# Altium PCB MCU_Module.PcbDoc (continued)
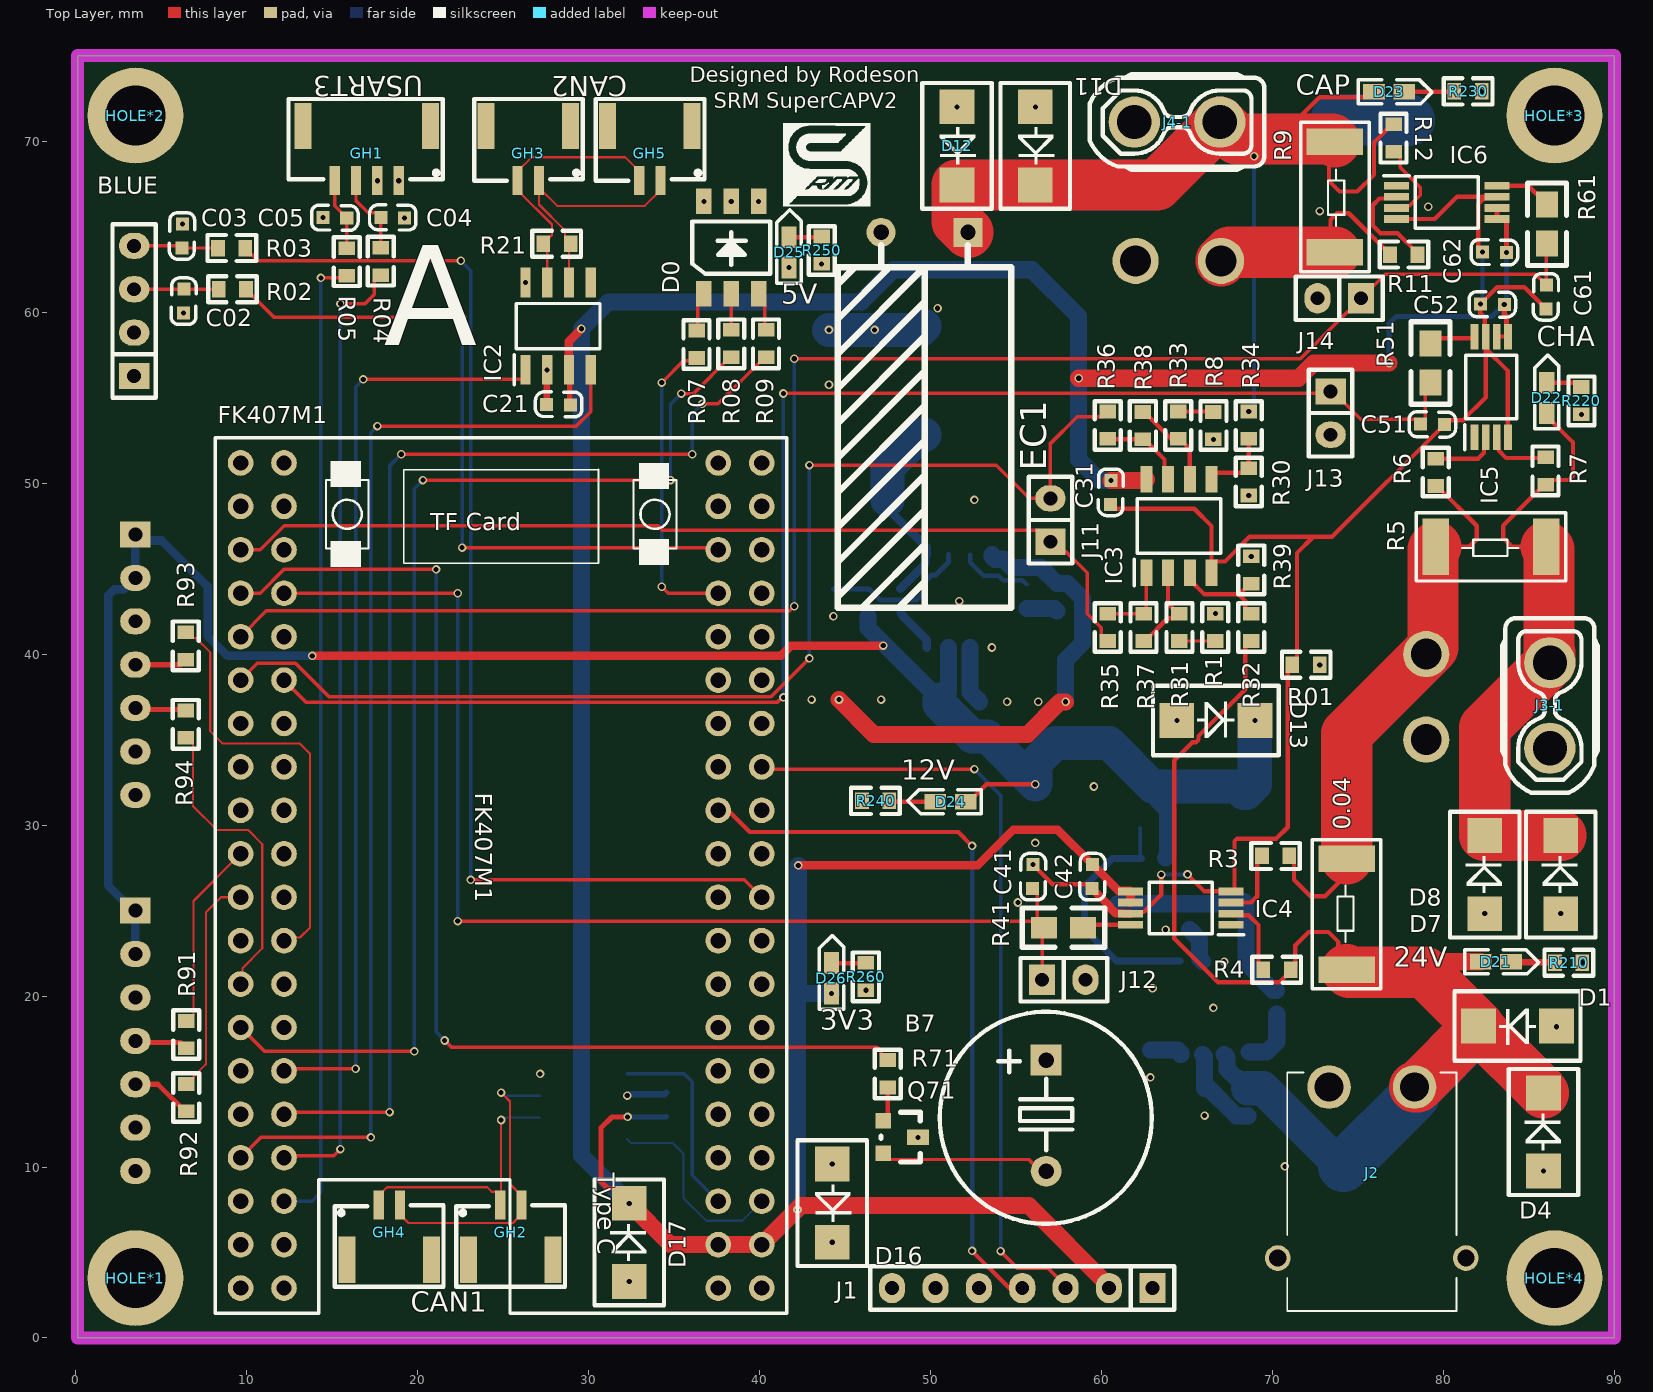
[diagram p0: Top Layer view]
## Components (designator, comment, footprint, x,y, rotation, side; value= is the part's Value field where it differs from the comment) (continued)
R07 "2K" 0603R 36.322,57.325 r90 top
R8 "0" 0603R 66.558,54.163 r270 top
R08 "2K" 0603R 38.354,57.363 r90 top
R9 "0.04" 2512R 73.711,63.579 r90 top
R09 "2K" 0603R 40.386,57.363 r90 top
R10 "120" 0603R 24.892,14.351 r270 bottom
R11 "0" 0603R 78.486,63.373 r180 top
R12 "0" 0603R 77.089,69.393 r90 top
R21 "120" 0603R 27.356,64.008 r0 top
R30 "1K" 0603R 68.622,49.276 r90 top
R31 "20K" 0603R 64.568,40.767 r90 top
R32 "20K" 0603R 68.769,40.767 r90 top
R33 "20K" 0603R 64.494,52.588 r90 top
R34 "20K" 0603R 68.622,52.588 r90 top
R35 "47R" 0603R 60.367,40.767 r90 top
R36 "47R" 0603R 60.367,52.588 r90 top
R37 "1K" 0603R 62.467,40.767 r90 top
R38 "1K" 0603R 62.43,54.163 r270 top
R39 "1K" 0603R 68.769,45.72 r270 top
R41 "47R" 0805R 58.928,24.003 r180 top
R51 "47R" 0805R 79.248,58.166 r270 top
R61 "47R" 0805R 86.066,66.294 r270 top
R71 "1K" 0603R 47.498,14.656 r90 top
R72 "18.7K" 0603R 68.58,14.605 r270 bottom
R73 "10K" 0603R 66.04,13.005 r90 bottom
R74 "30K" 0603R 62.865,15.24 r90 bottom
R75 "10K" 0603R 62.992,20.447 r90 bottom
R76 "150K" 0603R 62.281,29.845 r0 bottom
R81 "100K" 0603R 46.355,42.19 r90 bottom
R82 "24.9K" 0603R 44.323,42.215 r90 bottom
R83 "100K" 0603R 57.404,44.132 r270 bottom
R84 "210K" 0603R 43.053,37.338 r0 bottom
R85 "40.2K" 0603R 57.912,37.211 r180 bottom
R86 "100K" 0603R 54.483,37.211 r180 bottom
R91 "4.7" 0603R 6.477,18.542 r270 top
R92 "4.7" 0603R 6.477,14.859 r270 top
R93 "4.7" 0603R 6.448,41.275 r270 top
R94 "4.7" 0603R 6.448,35.103 r90 top
R210 "100K" 0603R 88.133,21.952 r180 top
R220 "100K" 0603R 88.083,54.026 r90 top
R230 "100K" 0603R 82.245,72.911 r180 top
R240 "100K" 0603R 45.995,31.413 r0 top
R250 "20K" 0603R 43.637,62.825 r90 top
R260 "10K" 0603R 46.228,20.339 r90 top

## Footprints (in the part's own frame and the unit in brackets; to place one, negate y for a bottom-side part, rotate by r counter-clockwise, add the part's x,y. Pads: shape width x height; smd on the part's side, far side on the other; paste and mask are expansions set on the pad)
0603C [mil]
  rect 30x30 smd: 1(0.21,-0.35) 2(55.21,-1.35)
  silkscreen extent -26,-30 81,28, body extent -1,-15 62,17, height 12
0603R [mm]
  rect 0.8x0.965 smd: 1(0,0) 2(1.6,0)
  silkscreen extent -0.64,-0.76 2.21,0.76, body extent -0.04,-0.41 1.56,0.41, height 0.45
0630L [mm]
  rect 3x3.5 smd: 1(-0.127,0) 2(6.223,0)
  silkscreen extent -0.61,-3.48 6.71,3.48, body extent -0.55,-3.05 6.4,3.55, height 3.05
0805R [mil]
  rect 60x50 smd: 1(0,0) 2(90,0)
  silkscreen extent -50,-45 140,45, body extent 1,-25 80,25, height 15
1206C [mil]
  rect 60x60 smd: 1(0,0) 2(135,0)
  silkscreen extent -50,-50 185,50, body extent 2,-31 128,31, height 39
1812C [mm]
  rect 3.302x2 smd: 1(0,0) 2(0,5.572)
  silkscreen extent -1.91,-1.35 1.92,6.96, body extent -1.6,0.54 1.6,5.04, height 1.6
2512R [mil]
  rect 61x129.92 smd: 1(-3.11,2) 2(251.89,2)
  silkscreen extent -47,-77 296,81, body extent 0,-63 249,63, height 24
"BEEP 6.5x12x8.5" [mm]
  rect 1.8x1.8 hole 0.9: 1(0,0)
  round 1.8 hole 0.9: 2(6.5,0)
  silkscreen extent -2.82,-6.22 9.57,6.18, body extent -2.79,-6 9.21,6, height 8.55
DIP-EC5.0X10X20-A [mm]
  rect 1.7x1.7 hole 0.9: 1(0,0)
  round 1.7 hole 0.9: 2(0,-5.08)
  silkscreen extent 0.76,-7.62 21.97,2.54, body extent -0.25,-7.54 21.96,2.46, height 10.03
Fe-HDR1X2/2.54-S [mil] "Connector; Header; 2x2 Position"
  rect 60x70 hole 32: 1(0,0)
  oval 60x70 hole 32: 2(100,0)
  silkscreen extent -50,-50 150,50, body extent -55,-48 155,50, height 335
Fe-HDR1X4/2.54-S [mil]
  rect 70x60 hole 32: 1(0,0)
  oval 70x60 hole 32: 2(0,-100) 3(0,-200) 4(0,-300)
  silkscreen extent -50,-350 50,50, body extent -44,-355 54,55, height 335
Fe-HDR1X7/2.54-S [mil]
  rect 70x60 hole 32: 1(0,0)
  oval 70x60 hole 32: 2(0,-100) 3(0,-200) 4(0,-300) 5(0,-400) 6(0,-500) 7(0,-600)
  silkscreen extent -50,-650 50,50, body extent -49,-655 49,55, height 126
FK407M1 [mm]
  round 1.5 hole 0.9: 1(0,-25.4) 2(0,-27.94) 3(-2.54,-25.4) 4(-2.54,-27.94) 5(-5.08,-25.4) 6(-5.08,-27.94) 7(-7.62,-25.4) 8(-7.62,-27.94) 9(-10.16,-25.4) 10(-10.16,-27.94) 11(-12.7,-25.4) 12(-12.7,-27.94) 13(-15.24,-25.4) 14(-15.24,-27.94) 15(-17.78,-25.4) 16(-17.78,-27.94) 17(-20.32,-25.4) 18(-20.32,-27.94) 19(-22.86,-25.4) 20(-22.86,-27.94) 21(-25.4,-25.4) 22(-25.4,-27.94) 23(-27.94,-25.4) 24(-27.94,-27.94) 25(-30.48,-25.4) 26(-30.48,-27.94) 27(-33.02,-25.4) 28(-33.02,-27.94) 29(-35.56,-25.4) 30(-35.56,-27.94) 31(-38.1,-25.4) 32(-38.1,-27.94) 33(-40.64,-25.4) 34(-40.64,-27.94) 35(-43.18,-25.4) 36(-43.18,-27.94) 37(-45.72,-25.4) 38(-45.72,-27.94) 39(-48.26,-25.4) 40(-48.26,-27.94) 41(0,2.54) 42(0,0) 43(-2.54,2.54) 44(-2.54,0) 45(-5.08,2.54) 46(-5.08,0) 47(-7.62,2.54) 48(-7.62,0) 49(-10.16,2.54) 50(-10.16,0) 51(-12.7,2.54) 52(-12.7,0) 53(-15.24,2.54) 54(-15.24,0) 55(-17.78,2.54) 56(-17.78,0) 57(-20.32,2.54) 58(-20.32,0) 59(-22.86,2.54) 60(-22.86,0) 61(-25.4,2.54) 62(-25.4,0) 63(-27.94,2.54) 64(-27.94,0) 65(-30.48,2.54) 66(-30.48,0) 67(-33.02,2.54) 68(-33.02,0) 69(-35.56,2.54) 70(-35.56,0) 71(-38.1,2.54) 72(-38.1,0) 73(-40.64,2.54) 74(-40.64,0) 75(-43.18,2.54) 76(-43.18,0) 77(-45.72,2.54) 78(-45.72,0) 79(-48.26,2.54) 80(-48.26,0)
  silkscreen extent -49.73,-29.41 1.47,4.01
GH1.25_2P [mm]
  rect 0.6x1.7 smd: 1(2.57,4.648) 2(3.82,4.648)
  rect 1x2.7 smd: 3(5.67,1.448) 4(0.72,1.448)
  silkscreen extent 0,-0.13 6.36,4.65
GH1.25_4P [mm]
  rect 0.6x1.7 smd: 1(2.443,4.648) 2(3.693,4.648) 3(4.943,4.648) 4(6.193,4.648)
  rect 1x2.7 smd: 5(8.043,1.448) 6(0.593,1.448)
  silkscreen extent -0.13,-0.13 8.89,4.57
LED-0603G [mil]
  rect 50x35 smd: A(0,0.26) K(70,0.26)
  silkscreen extent -36,-28 134,28, body extent 4,-15 66,17, height 24
LED-5050W [mm]
  rect 1.5x0.9 smd: 1(-0.038,-0.051) 2(5.372,-0.051) 3(-0.038,-1.651) 4(5.372,-1.651) 5(-0.038,-3.251) 6(5.372,-3.251)
  silkscreen extent 1.14,-3.94 4.19,0.64, body extent -0.03,-4.11 5.37,0.89, height 1.65
M3#1 [mm]
  round 5.6 hole 3.5: 1(-57.079,28.123)
M3#2 [mm]
  round 5.6 hole 3.5: 1(7.365,47.173)
M3#3 [mm]
  round 5.6 hole 3.5: 1(5.714,-72.784)
M3#4 [mm]
  round 5.6 hole 3.5: 1(-41.712,-21.73)
"Pin HDR1X7/2.54mm-S" [mil]
  rect 70x60 hole 32: 1(0,0)
  oval 70x60 hole 32: 2(0,-100) 3(0,-200) 4(0,-300) 5(0,-400) 6(0,-500) 7(0,-600)
  silkscreen extent -50,-650 50,50, body extent -50,-650 50,50, height 336
SMA/DO-214AC [mm]
  rect 2x3 smd: A(-0.127,0) K(4.953,0)
  silkscreen extent -1.63,-1.75 6.48,1.75, body extent 0.11,-1.35 4.71,1.35, height 2.4
SMB/DO-214AA [mil] "塑封二极管"
  rect 80x80 smd: A(0,0) K(180,0)
  silkscreen extent -55,-80 235,80, body extent -20,-79 200,75, height 98
SOIC127P600X170-9N [mm]
  rect 1.525x0.65 smd: 1(-2.712,1.905) 2(-2.712,0.635) 3(-2.712,-0.635) 4(-2.712,-1.905) 5(2.712,-1.905) 6(2.712,-0.635) 7(2.712,0.635) 8(2.712,1.905)
  rect 2.4x3.1 smd: 9(0,0)
  silkscreen extent -3.47,2.58 -1.95,2.58, body extent -3,-2.45 3,2.45, height 1.7
SOIC127P600X175-8N [mm]
  rect 1.55x0.7 smd: 1(-2.725,1.905) 2(-2.725,0.635) 3(-2.725,-0.635) 4(-2.725,-1.905) 5(2.725,-1.905) 6(2.725,-0.635) 7(2.725,0.635) 8(2.725,1.905)
  silkscreen extent -3.5,-2.45 1.6,2.61, body extent -3,-2.45 3,2.45, height 1.75
SOP65P640X120-8N [mm]
  rect 1.475x0.45 smd: 1(-2.938,0.975) 2(-2.938,0.325) 3(-2.938,-0.325) 4(-2.938,-0.975) 5(2.938,-0.975) 6(2.938,-0.325) 7(2.938,0.325) 8(2.938,0.975)
  silkscreen extent -3.67,-1.5 1.85,1.55, body extent -3.21,-1.5 3.21,1.5, height 1.11
SOT127P600X175-8N [mm]
  rect 1.75x0.6 smd: 1(-2.55,1.905) 2(-2.55,0.635) 3(-2.55,-0.635) 4(-2.55,-1.905) 5(2.55,-1.905) 6(2.55,-0.635) 7(2.55,0.635) 8(2.55,1.905)
  silkscreen extent -3.42,-2.45 1.33,2.56, body extent -3.01,-2.45 3.01,2.45, height 1.63
SOT-23 [mil]
  rect 36x36 smd: B(-35,-35) E(40,-35)
  rect 36x50 smd: C(3,45)
  silkscreen extent -55,-40 60,50, body extent -54,-48 60,62, height 47
XT30PB [mm]
  round 2.7 hole 1.8: 1(0,0) 2(0,-5)
  silkscreen extent -2.6,-7.6 2.6,2.6, body extent -2.6,-7.6 2.6,2.6, height 10.66
XT30PWM [mm]
  round 2.55 hole 1.7: 1(-2.5,-5.912) 2(2.5,-5.912)
  round 1.5 hole 1: 3(5.5,4.088) 4(-5.5,4.088)
  silkscreen extent -4.95,-6.76 4.95,7.19, body extent -6.65,-6.71 6.65,7.24, height 5.06
XT30UPB-F [mm]
  round 3 hole 2: 1(-5.02,0.006) 2(-0.02,0.006)
  silkscreen extent -7.62,-2.79 2.58,2.81

## Part data
0.04 R1 R01 R02 R3 R03 R4 R04 R5 R05 R6 R7 R07 R8 R08 R9 R09 R10 R11 R12 R21 R30 R31 R32 R33 R34 R35 R36 R37 R38 R39 R41 R51 R61 R71 R72 R73 R74 R75 R76 R81 R82 R83 R84 R85 R86 R91 R92 R93 R94 R210 R220 R230 R240 R250 R260: library part RES
B7: "蜂鸣器"
BLUE: library part "Female HDR1X4"
C02 C03 C04 C05 C11 C21 C31 C41 C42 C51 C52 C61 C62 C71 C72 C73 C74 C77 C78 C81 C82 C83 C84: library part CAP, "无极性电容"
C100 C101: "无极性电容"
D1 D2 D3 D4 D5 D6 D7 D8 D9 D10 D11 D12 D13 D14 D15 D16 D17: library part "DIODE ZENER", "稳压二极管"
D71 D81: library part "DIODE SCHOTTKY", "肖特基二极管"
EC1: "直插电解电容"
FK407M1: library part FK407M1
GH1: library part GH1.25_4P
GH2 GH3 GH4 GH5: library part GH1.25_2P
IC1 IC2: "Integrated Circuit", Manufacturer_Name="Texas Instruments", Mouser Part Number=595-SN65HVD230DR, Arrow Part Number=SN65HVD230DR, Arrow Price/Stock=https://www.arrow.com/en/products/sn65hvd230dr/texas-instruments?region=nac, Datasheet Link=http://www.ti.com/lit/gpn/sn65hvd230, Height=1.75mm, Manufacturer_Part_Number=SN65HVD230DR, Mouser Price/Stock=https://www.mouser.co.uk/ProductDetail/Texas-Instruments/SN65HVD230DR?qs=QViXGNcIEAtifeQR3pYVUQ%3D%3D
IC3: "Integrated Circuit", Arrow Part Number=OPA2350UA/2K5, Manufacturer_Name="Texas Instruments", Mouser Part Number=595-OPA2350UA/2K5, Arrow Price/Stock=https://www.arrow.com/en/products/opa2350ua2k5/texas-instruments, Datasheet Link=http://www.ti.com/lit/gpn/opa2350, Height=1.75mm, Manufacturer_Part_Number=OPA2350UA/2K5, Mouser Price/Stock=https://www.mouser.co.uk/ProductDetail/Texas-Instruments/OPA2350UA-2K5?qs=7nS3%252BbEUL6t75JUF5jEhbw%3D%3D
IC4 IC5 IC6: "Integrated Circuit", Manufacturer_Name="Texas Instruments", Mouser Part Number=595-INA240A1PWR, Arrow Part Number=INA240A1PWR, Arrow Price/Stock=https://www.arrow.com/en/products/ina240a1pwr/texas-instruments?region=nac, Datasheet Link=http://www.ti.com/lit/gpn/INA240, Height=1.2mm, Manufacturer_Part_Number=INA240A1PWR, Mouser Price/Stock=https://www.mouser.co.uk/ProductDetail/Texas-Instruments/INA240A1PWR?qs=aVyJF2WnouTDXnRi6tpqfA%3D%3D
IC7: "Integrated Circuit", Manufacturer_Name="Texas Instruments", Mouser Part Number=595-LMR14020SDDAR, Arrow Part Number=LMR14020SDDAR, Arrow Price/Stock=https://www.arrow.com/en/products/lmr14020sddar/texas-instruments, Datasheet Link=http://www.ti.com/lit/gpn/lmr14020, Height=1.7mm, Manufacturer_Part_Number=LMR14020SDDAR, Mouser Price/Stock=https://www.mouser.co.uk/ProductDetail/Texas-Instruments/LMR14020SDDAR?qs=Q2snjRlG%2FBLpJ6bVOizpDA%3D%3D
IC8: "Integrated Circuit", Manufacturer_Name="Monolithic Power Systems (MPS)", Mouser Part Number=946-MP1584ENLF, Datasheet Link=https://componentsearchengine.com/Datasheets/1/MP1584EN-LF.pdf, Height=1.7mm, Manufacturer_Part_Number=MP1584EN-LF, Mouser Price/Stock=https://www.mouser.com/Search/Refine.aspx?Keyword=946-MP1584ENLF
J1: library part "Female HDR1X7"
J2: library part XT30PW-M, "Connector", Manufacturer_Name=Amass, Datasheet Link=https://www.tme.eu/sl/Document/ce4077e36b79046da520ca73227e15de/XT30PW%20SPEC.pdf, Height=5mm, Manufacturer_Part_Number=XT30PW-M
J3-1 J4-1: library part XT30UPB-F
J3-2 J4-2: "Connector", Manufacturer_Name=Amass, Datasheet Link=https://www.tme.eu/Document/4acc913878197f8c2e30d4b8cdc47230/XT30UPB%20SPEC.pdf, Height=10.7mm, Manufacturer_Part_Number=XT30PB
L71 L81: library part INDUCTOR, "INDUCTOR"
Q71: "PNP三极管"

## Via types
v1: diameter 0.5, hole 0.3, Top Layer to Bottom Layer, 121 vias

## Nets (pads, with @x,y where several pads share a name; then routed paths per layer and width w, separated by ;. In a path a pad name is that pad's centre, name@x,y a point inside that pad or via, vN(x,y) a via of type N, cw(c..) or ccw(c..) an arc to the next point about the centre after c; other vN are vias at no path point)
3V3: C11.1 C21.1 C31.1 C42.2 C52.2 C62.2 D17.K D26.A FK407M1.43 FK407M1.44 IC1.3 IC2.3 IC3.8 IC4.5 IC4.6 IC5.5 IC5.6 IC6.5 IC6.6 J1.2 | length 224.4
  Top Layer w0.235: IC5.6 IC5.5
  Top Layer w0.3: IC2.3 28.906,56.582 28.906,54.634 C21.1 ; v1(32.294,12.928) 31.369,12.928 30.734,12.294 30.734,9.144 31.138,8.74 31.519,8.74 v1(32.385,7.874) ; IC6.6 IC6.5 83.618,65.446 83.693,65.371 v1(83.693,63.5) ; v1(83.566,60.452) 83.566,59.889 83.704,59.751 83.704,58.639 IC5.5
  Top Layer w0.5: IC2.3 28.857,58.296 v1(29.591,59.03) ; v1(42.269,27.638) 52.759,27.638 54.839,29.718 57.45,29.718 C42.2 61.022,26.146 61.68,26.146 IC4.5 IC4.6
  Top Layer w1: v1(32.385,7.874) 34.798,5.461 FK407M1.44 FK407M1.43 42.418,7.747 55.753,7.747 60.452,3.048 J1.2 ; v1(58.674,56.134) 71.534,56.134 72.423,57.023 v1(76.835,57.023) ; v1(60.572,50.16) 62.569,50.16 IC3.8
  Bottom Layer w0.3: IC1.3 v1(32.294,12.928) 34.544,12.928 C11.1 ; v1(76.835,57.023) 76.835,59.334 77.241,59.741 82.855,59.741 v1(83.566,60.452) ; v1@83.693,60.633 v1(83.693,63.5)
  Bottom Layer w1: v1(32.385,7.874) 29.591,10.668 v1(29.591,59.03) 31.169,60.607 45.957,60.607 47.833,62.484 55.933,62.484 58.674,59.743 v1(58.674,56.134) 58.674,51.379 59.893,50.16 v1(60.572,50.16) ; v1(42.226,7.493) 42.226,20.193 42.269,20.151 ; v1(42.269,27.638) 42.269,20.151 ; v1(44.207,20.151) 42.269,20.151
5V: B7.1 BLUE.1 C82.2 D15.K D16.K D25.A FK407M1.41 FK407M1.42 GH1.1 L81.1 P2.3 P3.3 R84.1 | length 5.7
  Bottom Layer w2: v1(44.069,58.963) 49.438,58.963 L81.1
  other v1: 44.258,5.603 43.053,37.338 46.736,58.963 50.419,60.233 41.732,62.609 18.903,67.691
12V: C74.2 C77.2 C78.2 C84.2 D13.K D14.K D24.A IC8.7 L71.2 P2.1 P2.2 P3.1 P3.2 R76.2 R81.1 | length 120.6
  Top Layer w0.254: D24.A 52.261,31.369 53.276,32.385 v1(56.134,32.385)
  Top Layer w0.5: v1(13.843,39.894) 41.241,39.894 41.841,40.494 v1(47.244,40.494)
  Bottom Layer w0.5: P2.2 P2.1 3.373,25 1.905,26.468 1.905,43.434 2.259,43.788 2.828,43.788 P3.2 P3.1 3.856,46.644 5.035,46.644 7.721,43.958 7.721,41.063 8.89,39.894 v1(13.843,39.894)
  Bottom Layer w1: R81.1 46.355,41.529 C84.2 51.054,37.846 IC8.7 ; 63.254,31.488 63.881,30.861 R76.2 63.881,28.194 C74.2
  Bottom Layer w2: C84.2 50.546,37.072 52.439,35.179 53.34,35.179 v1(56.134,32.385) 56.134,33.626 57.306,34.798 60.452,34.798 C77.2 67.945,32.258 L71.2 68.47,31.877 68.97,32.377 68.97,36.179 D14.K
  other v1: 68.986,36.119
ADC1_IN1: FK407M1.36 J11.1 R35.1 | length 55.8
  Top Layer w0.203: FK407M1.36 10.808,46.101 12.205,47.498 34.088,47.498 34.353,47.233 56.363,47.233 J11.1 57.598,45.998 57.933,45.998 59.177,44.754 59.177,42.35 59.986,41.542 59.986,41.065 60.284,40.767 R35.1
ADC1_IN5: FK407M1.30 J11.2 R36.2 | length 69
  Top Layer w0.203: FK407M1.30 10.631,39.46 12.864,39.46 14.822,37.502 40.677,37.502 v1(42.926,39.751) ; v1(42.926,51.054) 53.848,51.054 55.789,49.113 J11.2 57.023,52.321 58.591,53.89 60.068,53.89 R36.2
  Bottom Layer w0.203: v1(42.926,39.751) v1(42.926,51.054)
ADC2_IN2: C41.1 FK407M1.33 J12.1 R41.2 | length 68.9
  Top Layer w0.203: FK407M1.33 v1(22.352,43.561) ; v1(22.352,24.384) R41.2@56.261,24.384 ; C41.1 56.261,26.01 R41.2@56.261,24.384 ; J12.1 56.536,23.897 R41.2 R41.2@56.261,24.384
  Bottom Layer w0.203: v1(22.352,24.384) v1(22.352,43.561)
ADC2_IN3: C51.1 FK407M1.29 J13.1 R51.2 | length 88.4
  Top Layer w0.203: FK407M1.29 13.501,37.172 41.029,37.172 41.324,37.467 v1(41.404,37.467) ; v1(41.404,55.245) 73.279,55.245 J13.1 73.533,55.372 75.168,53.737 78.387,53.737 C51.1 78.946,53.737 78.946,55.578 R51.2
  Bottom Layer w0.203: v1(41.404,37.467) v1(41.404,55.245)
ADC2_IN4: C61.1 FK407M1.32 J14.1 R61.2 | length 96.4
  Top Layer w0.203: FK407M1.32 11.163,42.532 41.77,42.532 v1(42.037,42.799) ; v1(42.037,57.277) 71.647,57.277 74.397,60.027 74.524,60.027 75.184,60.687 J14.1 76.6,62.23 85.392,62.23 C61.1 86.027,63.97 R61.2
  Bottom Layer w0.203: v1(42.037,42.799) v1(42.037,57.277)
AGND: C31.2 C41.2 C42.1 C51.2 C52.1 C61.2 C62.1 IC3.4 IC4.4 IC4.7 IC5.4 IC5.7 IC6.4 IC6.7 R01.2 | length 97.9
  Top Layer w0.254: v1(56.007,27.686) 57.15,26.543 59.203,26.543 C42.1 ; C31.2 60.8,48.509 65.429,48.509 66.442,47.496 IC3.4@66.442,45.198 ; IC4.7 61.803,24.919 62.475,24.919 63.5,25.944 v1(63.5,27.107) ; v1(65.039,27.112) 66.03,26.121 IC4.4 67.688,26.121 67.786,26.219 67.786,29.061 67.935,29.21 70.234,29.21 70.898,29.874 70.898,39.097 R01.2 71.444,39.643 71.444,45.917 72.39,46.863 ; IC3.4 IC3.4@66.442,45.198 ; IC6.4 79.504,65.446 80.804,66.746 IC6.7 83.043,66.648 82.371,66.648 82.046,66.322 82.046,63.776 v1(82.296,63.525) C62.1@82.169,63.398 ; IC5.4 83.779,56.556 IC5.7@82.479,57.856 ; C61.2 84.732,61.468 83.16,61.468 v1(82.169,60.477) 82.169,59.932 82.418,59.682 82.418,58.625 IC5.7 IC5.7@82.479,57.856 ; IC3.4@66.442,45.198 66.665,45.421 67.229,45.421 68.671,46.863 72.39,46.863 ; 72.39,46.863 73.494,46.863 C51.2 80.318,53.687 81.158,53.687 82.479,55.008 IC5.7@82.479,57.856
  Top Layer w0.5: C42.1 60.452,25.294 60.452,25.228 60.834,24.846 61.218,24.846 61.243,24.821 IC4.7
  Bottom Layer w0.254: v1(63.5,27.107) 63.503,27.11 65.036,27.11 v1(65.039,27.112) ; v1@82.296,60.671 v1(82.296,63.525)
Battery_IN: 0.04.2 C72.2 D1.K D2.K D3.K D4.K D21.A IC7.2 J2.1 R4.2 R32.1 R72.1 | length 84.8
  Top Layer w0.254: R32.1 68.687,40.767 68.414,40.494 68.414,37.937 65.684,35.208 65.684,34.998 65.536,34.849 65.325,34.849 64.262,33.786 64.262,23.368 66.825,20.805 70.415,20.805 71.069,21.459 R4.2 71.342,21.815 71.342,22.955 72.136,23.749 73.279,23.749 73.862,23.166 73.862,22.025 0.04.2 ; 77.089,21.568 77.265,21.392
  Top Layer w1: 78.916,21.392 79.533,22.009 D21.A
  Top Layer w3: 0.04.2 74.496,21.392 77.265,21.392 78.916,21.392 D1.K ; J2.1 78.473,14.675 D1.K ; D4.K 82.053,18.148 D1.K
  Bottom Layer w1: IC7.2 67.358,16.417 67.358,15.713 67.868,15.202 67.983,15.202 R72.1
  Bottom Layer w2: R72.1 69.456,14.605 74.028,10.033 C72.2
  Bottom Layer w3: C72.2 78.319,14.184 J2.1 78.511,14.675 D2.K 82.042,18.159 D3.K
CAN1_H: GH2.2 GH4.2 IC1.7 R10.1 | length 18
  Top Layer w0.127: GH4.2 18.978,7.222 19.469,6.731 25.582,6.731 25.836,6.985 25.851,6.985 26.087,7.222 GH2.2 26.087,8.322 25.407,9.002 25.407,13.836 v1(24.892,14.351)
  Bottom Layer w0.127: v1(24.892,14.351) 25.07,14.173 IC1.7
CAN1_L: GH2.1 GH4.1 IC1.6 R10.2 | length 15.9
  Top Layer w0.127: GH4.1 17.728,8.322 18.218,8.813 24.08,8.813 24.334,8.559 24.601,8.559 24.837,8.322 GH2.1@24.837,7.827 ; GH2.1 24.892,7.827 24.892,8.322 v1(24.892,12.751)
  Bottom Layer w0.127: v1(24.892,12.751) 25.044,12.903 IC1.6
CAN1_RX: FK407M1.45 IC1.4 | length 11.8
  Bottom Layer w0.127: IC1.4 32.504,11.396 34.945,11.396 35.56,10.781 35.56,8.182 36.884,6.858 38.989,6.858 FK407M1.45
CAN1_TX: FK407M1.46 IC1.1 | length 11.6
  Bottom Layer w0.203: IC1.1 35.611,15.443 36.065,14.989 36.065,9.528 FK407M1.46
CAN2_H: GH3.2 GH5.2 IC2.7 R21.1 | length 16
  Top Layer w0.127: IC2.7 27.587,63.777 R21.1 27.864,64.516 27.864,65.13 25.853,67.141 GH3.2 25.853,68.241 26.675,69.063 32.143,69.063 32.965,68.241 GH5.2
CAN2_L: GH3.1 GH5.1 IC2.6 R21.2 | length 15.3
  Top Layer w0.127: GH3.1 GH3.1@27.103,67.287 ; IC2.6 28.857,63.909 R21.2 28.62,64.344 28.62,64.783 27.103,66.3 GH3.1@27.103,67.287 ; GH5.1 34.215,67.141 33.292,66.218 28.172,66.218 GH3.1@27.103,67.287
CAN2_RX: FK407M1.8 IC2.4 | length 65.2
  Top Layer w0.203: FK407M1.8 10.846,11.735 v1(17.272,11.735) ; v1(17.653,53.34) 29.289,53.34 30.127,54.178 IC2.4
  Bottom Layer w0.203: v1(17.272,11.735) 17.272,52.959 v1(17.653,53.34)
CAN2_TX: FK407M1.11 IC2.1 | length 54.7
  Top Layer w0.203: FK407M1.11 12.319,15.748 v1(16.383,15.748) ; v1(16.828,56.07) 26.118,56.07 26.317,56.269 IC2.1
  Bottom Layer w0.203: v1(16.383,15.748) 16.383,55.626 v1(16.828,56.07)
Cap: C100.1 C101.1 D9.K D10.K D11.K D12.K D23.A EC1.1 J4-1.1 R9.2 R12.2 R34.2 | length 86.8
  Top Layer w0.254: 70.319,70.127 72.772,72.58 75.438,72.58 75.724,72.866 75.724,73.12 D23.A 76.136,72.898 D23.A@76.454,72.58 ; R9.2 73.319,69.636 73.319,67.671 73.934,67.056 74.971,67.056 75.946,68.031 75.946,69.932 77.007,70.993 R12.2
  Top Layer w3: EC1.1 51.562,65.306 D12.K D11.K 63.249,67.44 J4-1.1 67.922,70.127 70.319,70.127 73.51,70.127 R9.2
  Bottom Layer w0.254: v1(68.622,54.188) 68.622,54.255 68.929,54.562 v1(68.929,69.12)
  Bottom Layer w3: D10.K 63.249,67.44 J4-1.1 ; J4-1.1@67.922,70.127 72.927,70.127 73.726,70.926 C101.1 73.748,71.253 77.981,71.253 C100.1
CCAP+: IC6.2 R11.1 | length 6.1
  Top Layer w0.254: IC6.2 77.167,66.648 76.262,66.648 75.874,66.26 75.874,65.07 76.323,64.621 77.32,64.621 78.486,63.455 R11.1
CCAP-: IC6.3 R12.1 | length 4.9
  Top Layer w0.203: R12.1 77.171,69.393 77.47,69.095 77.47,68.477 78.656,67.291 78.656,66.851 78.024,66.219 77.389,66.219 IC6.3
Chassis: D5.K D6.K D7.K D8.K D22.A J3-1.1 R5.2 R7.2 | length 52.2
  Top Layer w0.254: R5.2 84.023,46.279 83.499,46.803 83.499,47.514 85.897,49.911 R7.2 86.252,50.184 87.337,50.184 87.583,50.43 87.583,52.384 86.055,53.911 D22.A
  Top Layer w3: R5.2 86.177,46.129 86.177,40.129 86.233,40.073 J3-1.1 82.423,35.687 D7.K D8.K
  Bottom Layer w3: J3-1.1 82.423,35.687 D6.K D5.K
CIN+: IC4.2 R4.1 | length 4.6
  Top Layer w0.25: IC4.2 67.681,24.721 68.624,24.721 69.194,24.151 69.194,21.817 R4.1
CIN-: IC4.3 R3.1 | length 4.2
  Top Layer w0.254: IC4.3 68.758,25.471 69.12,25.833 69.12,27.921 R3.1
COUT+: IC5.2 R6.1 | length 3.9
  Top Layer w0.254: R6.1 82.042,51.435 82.381,51.774 82.381,52.59 IC5.2
COUT-: IC5.3 R7.1 | length 3.8
  Top Layer w0.254: IC5.3 83.227,52.59 83.227,51.918 83.672,51.473 85.941,51.473 R7.1
GND: BLUE.2 C02.1 C03.1 C04.1 C05.1 C11.2 C21.2 C72.1 C73.2 C77.1 C78.1 C82.1 C84.1 C100.2 C101.2 D0.2 D0.4 D0.6 D1.A D2.A D3.A D4.A D5.A D6.A D7.A D8.A D9.A D10.A D11.A D12.A D13.A D14.A D15.A D16.A D17.A D71.A D81.A EC1.2 FK407M1.1 FK407M1.2 GH1.2 HOLE*1.1 HOLE*2.1 HOLE*3.1 HOLE*4.1 IC1.2 IC1.8 IC2.2 IC2.8 IC7.7 IC7.9 IC8.5 IC8.9 J1.1 J2.2 J2.3 J2.4 J3-1.2 J3-2.2 J4-1.2 J4-2.2 J12.2 J13.2 J14.2 P2.6 P2.7 P3.6 P3.7 Q71.C R01.1 R1.2 R8.2 R30.1 R39.1 R73.1 R74.1 R75.1 R82.1 R85.2 R86.1 R210.1 R220.1 R230.1 R240.1 R250.1 R260.1 | length 4.4
  Top Layer w0.381: C21.2 27.573,54.624 v1(27.573,56.618) IC2.2
  Bottom Layer w0.381: v1(32.268,14.173) 32.357,14.262 34.455,14.262 C11.2
  other v1: 32.385,3.302 85.866,9.764 70.739,10.033 44.258,10.175 49.276,11.735 66.04,13.005 62.865,15.24 27.168,15.443 86.614,18.206 66.548,19.304 46.228,20.339 62.992,20.447 88.133,21.952 67.183,22.016 63.754,23.876 82.423,24.821 86.868,24.821 55.118,25.471 56.134,28.956 45.995,31.413 59.563,32.258 64.414,36.119 54.483,37.211 56.312,37.211 47.117,37.338 72.771,39.37 53.594,40.386 44.323,42.215 66.669,42.367 51.689,43.098 68.769,45.72 52.578,49.022 68.622,49.276 66.558,52.563 88.083,54.026 44.069,55.753 6.305,59.949 26.317,61.732 43.637,62.825 6.248,65.151 19.249,65.517 14.465,65.542 72.772,65.913 79.121,66.167 36.754,66.482 38.354,66.482 39.954,66.482 17.653,67.691 51.562,72.012 56.155,72.009 82.245,72.911
Net0.04_1: 0.04.1 J3-2.1 R3.2 R5.1 R6.2 | length 33.6
  Top Layer w0.254: R3.2 71.266,27.921 71.266,26.803 72.236,25.833 73.079,25.833 73.936,26.69 73.936,27.609 0.04.1 ; R5.1 81.511,46.279 81.954,46.722 81.954,47.514 79.633,49.835 R6.2
  Top Layer w3: 0.04.1 74.346,35.346 J3-2.1 79.4,40.4 79.4,46.129 R5.1
NetB7_2: B7.2 Q71.E | length 10
  Top Layer w0.203: Q71.E 47.6,10.439 55.749,10.439 56.432,9.756 B7.2
NetBLUE_3: BLUE.3 C02.2 R02.2 | length 4.9
  Top Layer w0.203: BLUE.3 6.325,61.341 C02.2 6.335,61.341 R02.2
NetBLUE_4: BLUE.4 C03.2 R03.2 | length 5
  Top Layer w0.203: BLUE.4 6.096,63.881 C03.2 R03.2
NetC04_2: C04.2 GH1.3 R04.1 | length 4.8
  Top Layer w0.203: GH1.3 16.403,66.528 17.109,65.822 17.573,65.822 C04.2 17.854,65.54 R04.1
NetC05_2: C05.2 GH1.4 R05.1 | length 4.2
  Top Layer w0.203: GH1.4 15.153,66.226 C05.2 15.865,65.514 R05.1
NetC71_1: C71.1 IC7.1 | length 3.5
  Bottom Layer w1: IC7.1@68.645,16.724 69.671,16.724 70.256,17.31 C71.1
NetC71_2: C71.2 D71.K IC7.8 L71.1 | length 13.7
  Bottom Layer w1: D71.K 60.96,25.4 68.199,25.4 L71.1 68.453,25.4 IC7.8 68.453,21.929 70.042,20.339 70.222,20.339 C71.2
NetC73_1: C73.1 IC7.6 | length 2.2
  Bottom Layer w1: C73.1 65.738,23.314 65.738,22.191 IC7.6
NetC74_1: C74.1 IC7.5 R75.2 R76.1 | length 14.8
  Bottom Layer w0.2: R76.1 62.281,28.118 C74.1 ; IC7.5@64.612,22.047 IC7.5
  Bottom Layer w0.4: C74.1 60.639,28.042 59.004,26.407 59.004,23.914 60.871,22.047 R75.2 64.418,22.047 IC7.5@64.612,22.047
NetC81_1: C81.1 D81.K IC8.1 L81.2 | length 11.7
  Bottom Layer w0.5: D81.K 47.498,48.522 49.697,46.323 49.709,46.323 49.784,46.248 IC8.1 49.709,45.735 49.709,45.289 C81.1
  Bottom Layer w2: D81.K 47.498,50.923 49.407,52.832 L81.2
NetC81_2: C81.2 IC8.8 | length 2.7
  Bottom Layer w0.5: C81.2 48.391,42.287 48.391,42.216 49.784,40.823 IC8.8
NetC83_1: C83.1 R83.2 | length 1.8
  Bottom Layer w1: C83.1 57.264,42.672 R83.2
NetC83_2: C83.2 IC8.3 | length 4.3
  Bottom Layer w0.254: IC8.3 52.324,45.373 53.12,44.577 54,44.577 54.254,44.323 55.372,44.323 C83.2
NetD0_1: D0.1 R07.2 | length 2.3
  Top Layer w0.203: R07.2 36.405,59.009 36.405,60.723 D0.1
NetD0_3: D0.3 R08.2 | length 2.1
  Top Layer w0.203: R08.2 D0.3
NetD0_5: D0.5 R09.2 | length 2.3
  Top Layer w0.203: D0.5 40.303,60.723 40.303,59.047 R09.2
NetD21_K: D21.K R210.2 | length 2.6
  Top Layer w0.381: D21.K 83.989,21.981 86.505,21.981 R210.2
NetD22_K: D22.K R220.2 | length 2.1
  Top Layer w0.254: D22.K 87.829,55.88 R220.2
NetD23_K: D23.K R230.2 | length 2.9
  Top Layer w0.254: D23.K 80.631,72.898 R230.2
NetD24_K: D24.K R240.2 | length 2.7
  Top Layer w0.254: R240.2 47.64,31.369 D24.K
NetD25_K: D25.K R250.2 | length 1.9
  Top Layer w0.254: D25.K 43.599,64.387 R250.2
NetD26_K: D26.K R260.2 | length 2
  Top Layer w0.254: D26.K 46.217,21.929 R260.2
NetIC3_1: IC3.1 R35.2 R37.2 | length 4.6
  Top Layer w0.203: R35.2 R37.2 62.632,42.532 IC3.1
NetIC3_2: IC3.2 R31.2 R37.1 | length 5.3
  Top Layer w0.254: R37.1 62.55,40.767 63.877,42.094 64.212,42.094 64.485,42.367 63.902,42.951 IC3.2
NetIC3_3: IC3.3 R32.2 R39.2 | length 6.1
  Top Layer w0.254: IC3.3 65.172,44.348 66.01,43.51 68.007,43.51 ; R32.2 68.687,42.367 68.414,42.64 68.414,43.104 68.007,43.51 ; R39.2 68.687,44.12 68.189,43.622 68.119,43.622 68.007,43.51
NetIC3_5: IC3.5 R30.2 R34.1 | length 4.3
  Top Layer w0.254: IC3.5 66.442,50.38 66.665,50.603 68.349,50.603 R30.2 R34.1
NetIC3_6: IC3.6 R33.1 R38.1 | length 5.4
  Top Layer w0.254: R38.1 62.513,54.163 64.088,52.588 R33.1 64.577,52.588 65.172,51.993 IC3.6
NetIC3_7: IC3.7 R36.1 R38.2 | length 5.1
  Top Layer w0.254: R36.1 60.392,52.563 R38.2 62.513,52.563 63.697,51.379 63.697,50.428 IC3.7
NetIC4_8: IC4.8 R41.1 | length 2.8
  Top Layer w0.254: R41.1 59.096,24.171 IC4.8
NetIC5_8: IC5.8 R51.1 | length 2.7
  Top Layer w0.254: R51.1 79.548,58.466 81.731,58.466 IC5.8
NetIC6_8: IC6.8 R61.1 | length 3.5
  Top Layer w0.254: IC6.8 84.964,67.396 85.431,66.929 85.558,66.929 86.066,66.421 R61.1
NetIC7_3: IC7.3 R72.2 R73.2 | length 5.3
  Bottom Layer w1: IC7.3 66.04,16.465 R73.2 66.279,14.605 67.906,12.978 R72.2@68.58,12.978
NetIC7_4: IC7.4 R74.2 | length 1.9
  Bottom Layer w1: R74.2 64.468,16.84 64.643,16.665 IC7.4
NetIC8_2: IC8.2 R81.2 R82.2 | length 8.7
  Bottom Layer w0.3: R82.2 44.336,43.802 46.342,43.802 R81.2 46.437,43.79 47.07,43.157 49.162,43.157 49.657,43.652 49.657,44.224 50.066,44.633 50.315,44.633 51.054,45.373 IC8.2
NetIC8_4: IC8.4 R83.1 R84.2 R85.1 | length 27.8
  Top Layer w1: v1(44.653,37.338) 46.685,35.306 55.677,35.306 57.582,37.211 v1(57.912,37.211)
  Bottom Layer w1: IC8.4 53.594,45.723 53.769,45.548 54.277,45.548 54.747,45.077 56.459,45.077 R83.1 58.017,44.132 58.903,43.246 58.903,40.65 57.912,39.659 v1(57.912,37.211)
NetIC8_6: IC8.6 R86.2 | length 3.4
  Bottom Layer w1: IC8.6 52.324,37.77 R86.2
NetJ4-2_1: J4-2.1 R9.1 R11.2 | length 13.5
  Top Layer w0.254: R9.1 73.406,63.754 73.406,65.405 73.787,65.786 74.473,65.786 76.759,63.5 R11.2
  Top Layer w3: J4-2.1 67.5,63.5 R9.1
NetP2_4: P2.4 R91.2 | length 3.2
  Top Layer w0.3: P2.4 3.601,17.279 6.141,17.279 R91.2
NetP2_5: P2.5 R92.2 | length 3.6
  Top Layer w0.3: P2.5 4.814,14.84 6.395,13.259 R92.2
NetP3_4: P3.4 R93.2 | length 3.1
  Top Layer w0.127: R93.2@6.153,39.38 R93.2
  Top Layer w0.3: P3.4 R93.2@6.153,39.38
NetP3_5: P3.5 R94.2 | length 3
  Top Layer w0.3: P3.5 3.568,36.772 6.38,36.772 R94.2
NetQ71_B: Q71.B R71.1 | length 2.1
  Top Layer w0.254: Q71.B 47.498,12.954 R71.1
OLED_SCL: FK407M1.65 J1.3 | length 46.5
  Top Layer w0.203: FK407M1.65 40.259,33.274 v1(52.578,33.274) ; v1(54.102,5.08) 55.118,4.064 56.896,4.064 57.912,3.048 J1.3 J1.3@57.607,3.226
  Bottom Layer w0.203: v1(52.578,33.274) 54.102,31.75 v1(54.102,5.08)
OLED_SDA: FK407M1.64 J1.4 | length 43.2
  Top Layer w0.254: FK407M1.64 37.603,30.85 38.181,30.85 39.44,29.591 51.629,29.591 v1(52.442,28.778) ; v1(52.442,5.089) 54.61,2.921 J1.4
  Bottom Layer w0.254: v1(52.442,5.089) v1(52.442,28.778)
TIM1_CH1: FK407M1.22 R91.1 | length 11.2
  Top Layer w0.127: R91.1 6.559,18.542 6.896,18.878 6.896,25.565 9.525,28.194 9.525,28.321 FK407M1.22
TIM1_CH2: FK407M1.20 R92.1 | length 13
  Top Layer w0.127: R92.1 6.559,14.859 6.896,15.195 6.896,15.278 7.62,16.002 7.62,24.892 8.509,25.781 FK407M1.20
TIM1_CH3: FK407M1.17 R93.1 | length 24.9
  Top Layer w0.127: R93.1 6.784,40.939 7.038,40.939 7.874,40.103 7.874,35.497 8.605,34.767 13.122,34.767 13.716,34.173 13.716,24.003 13.132,23.419 12.37,23.419 FK407M1.17
TIM1_CH4: FK407M1.16 R94.1 | length 17.9
  Top Layer w0.127: R94.1 6.531,35.103 6.867,34.767 6.867,31.106 8.255,29.718 10.084,29.718 10.922,28.88 10.922,22.792 9.772,21.641 9.772,20.821 FK407M1.16
TIM2_CH1: FK407M1.34 R71.2 | length 66.3
  Top Layer w0.203: FK407M1.34 10.795,43.561 12.192,44.958 v1(21.092,44.958) ; v1(21.59,17.399) 21.971,17.018 46.863,17.018 47.117,16.764 47.117,16.554 47.416,16.256 R71.2
  Bottom Layer w0.203: v1@21.082,44.948 v1(21.092,44.958) 21.092,17.897 v1(21.59,17.399)
TIM2_CH2: FK407M1.74 R07.1 | length 18
  Top Layer w0.203: v1(34.29,43.942) 34.671,43.561 FK407M1.74 ; v1(34.29,55.88) 35.56,57.15 36.064,57.15 36.24,57.325 R07.1
  Bottom Layer w0.203: v1(34.29,43.942) v1(34.29,55.88)
TIM2_CH3: FK407M1.14 R08.1 | length 68
  Top Layer w0.203: FK407M1.14 11.049,16.764 v1(19.812,16.764) ; v1(20.32,50.18) v1(34.798,50.18) ; v1(35.426,55.238) 36.147,55.238 38.272,57.363 R08.1
  Bottom Layer w0.203: v1(19.812,16.764) 19.812,49.672 v1(20.32,50.18) ; v1(34.798,50.18) 34.798,54.61 v1(35.426,55.238)
TIM2_CH4: FK407M1.9 R09.1 | length 70.1
  Top Layer w0.203: FK407M1.9 12.319,13.208 v1(18.365,13.208) ; v1(19.05,51.689) v1(36.068,51.689) ; v1(36.651,54.634) 37.574,54.634 40.304,57.363 R09.1
  Bottom Layer w0.203: v1(18.365,13.208) 18.365,51.004 v1(19.05,51.689) ; v1(36.068,51.689) 36.068,54.051 v1(36.651,54.634)
USART2_RX: FK407M1.76 R02.1 | length 41.9
  Top Layer w0.203: R02.1 9.969,61.259 10.268,60.96 10.35,60.96 11.62,59.69 v1(22.606,59.69) ; v1(22.606,46.228) 37.465,46.228 FK407M1.76
  Bottom Layer w0.203: v1(22.606,46.228) v1(22.606,59.69)
USART2_TX: FK407M1.59 R03.1 | length 66.9
  Top Layer w0.203: R03.1 9.931,63.672 10.23,63.373 10.312,63.373 10.679,63.006 v1(22.541,63.006) ; v1(23.114,26.797) 39.116,26.797 FK407M1.59
  Bottom Layer w0.203: v1(22.541,63.006) 23.114,62.433 v1(23.114,26.797)
USART3_RX: FK407M1.5 R05.2 | length 57.7
  Top Layer w0.203: FK407M1.5 FK407M1.5@12.319,8.128 ; v1(14.351,62.007) 15.733,62.007 R05.2
  Bottom Layer w0.203: FK407M1.5 12.319,8.128 12.446,8.001 13.843,8.001 14.351,8.509 v1(14.351,62.007)
USART3_TX: FK407M1.7 R04.2 | length 56.6
  Top Layer w0.203: FK407M1.7 12.319,10.668 15.113,10.668 v1(15.494,11.049) ; v1(15.494,60.49) 16.929,60.49 17.473,61.034 17.473,61.869 17.772,62.168 R04.2
  Bottom Layer w0.203: v1(15.494,11.049) v1(15.494,60.49) v1@15.583,60.579
VCAP-: R8.1 R33.2 | length 2.1
  Top Layer w0.254: R33.2 66.533,54.188 R8.1
VIN-: R1.1 R31.1 | length 2.1
  Top Layer w0.203: R31.1 R1.1
pads on no net: FK407M1.3 FK407M1.4 FK407M1.6 FK407M1.10 FK407M1.12 FK407M1.13 FK407M1.15 FK407M1.18 FK407M1.19 FK407M1.21 FK407M1.23 FK407M1.24 FK407M1.25 FK407M1.26 FK407M1.27 FK407M1.28 FK407M1.31 FK407M1.35 FK407M1.37 FK407M1.38 FK407M1.39 FK407M1.40 FK407M1.47 FK407M1.48 FK407M1.49 FK407M1.50 FK407M1.51 FK407M1.52 FK407M1.53 FK407M1.54 FK407M1.55 FK407M1.56 FK407M1.57 FK407M1.58 FK407M1.60 FK407M1.61 FK407M1.62 FK407M1.63 FK407M1.66 FK407M1.67 FK407M1.68 FK407M1.69 FK407M1.70 FK407M1.71 FK407M1.72 FK407M1.73 FK407M1.75 FK407M1.77 FK407M1.78 FK407M1.79 FK407M1.80 GH1.5 GH1.6 GH2.3 GH2.4 GH3.3 GH3.4 GH4.3 GH4.4 GH5.3 GH5.4 IC1.5 IC2.5 IC4.1 IC5.1 IC6.1 J1.5 J1.6 J1.7

## Polygon pours and split planes (outlines as drawn)
5V on POWER (split plane): 89.49,0.51 41.404,0.51 41.404,37.209 41.395,37.258 41.367,37.3 41.325,37.328 41.275,37.338 41.225,37.328 41.183,37.3 41.155,37.258 41.146,37.209 41.146,0.51 0.637,0.51 0.637,74.49 89.49,74.49
GND on GND (split plane): 89.49,0.51 0.637,0.51 0.637,74.49 89.49,74.49

## Keep-outs
Keep-Out Layer:
  the board outline again, w0.762

## Other copper
POWER (plane layer: these items are gaps in the copper):
  lines w0.254: 41.275,0 41.275,37.209

## Silkscreen, mask and mechanical layers (free items; w line width, h text height)
Top Overlay:
  drawing of 525 lines, arcs and shapes, not listed
  text "USART3" at 20.349,74.168 h2 r180
  text "CAN2" at 32.268,74.168 h2 r180
  text "Designed by Rodeson" at 35.912,73.152 h1.52
  text "CAP" at 71.374,72.345 h2
  text "SRM SuperCAPV2" at 37.338,71.628 h1.52
  text "5V" at 41.275,60.099 h2
  text "CHA" at 85.471,57.626 h2
  text "A" at 18.034,56.171 h10
  text "12V" at 48.292,32.258 h2
  text "24V" at 77.089,21.343 h2
  text "3V3" at 43.561,17.653 h2
  text "CAN1" at 19.613,1.143 h2
Mechanical 1:
  the board outline again, w0.762

## Text inside footprints (layer, text, board x,y; h text height)
FK407M1: Top Overlay "Type C" at 30.531,9.652 h1 r270; Top Overlay "TF Card" at 20.752,47.244 h1